# KiCad board clops.kicad_pcb
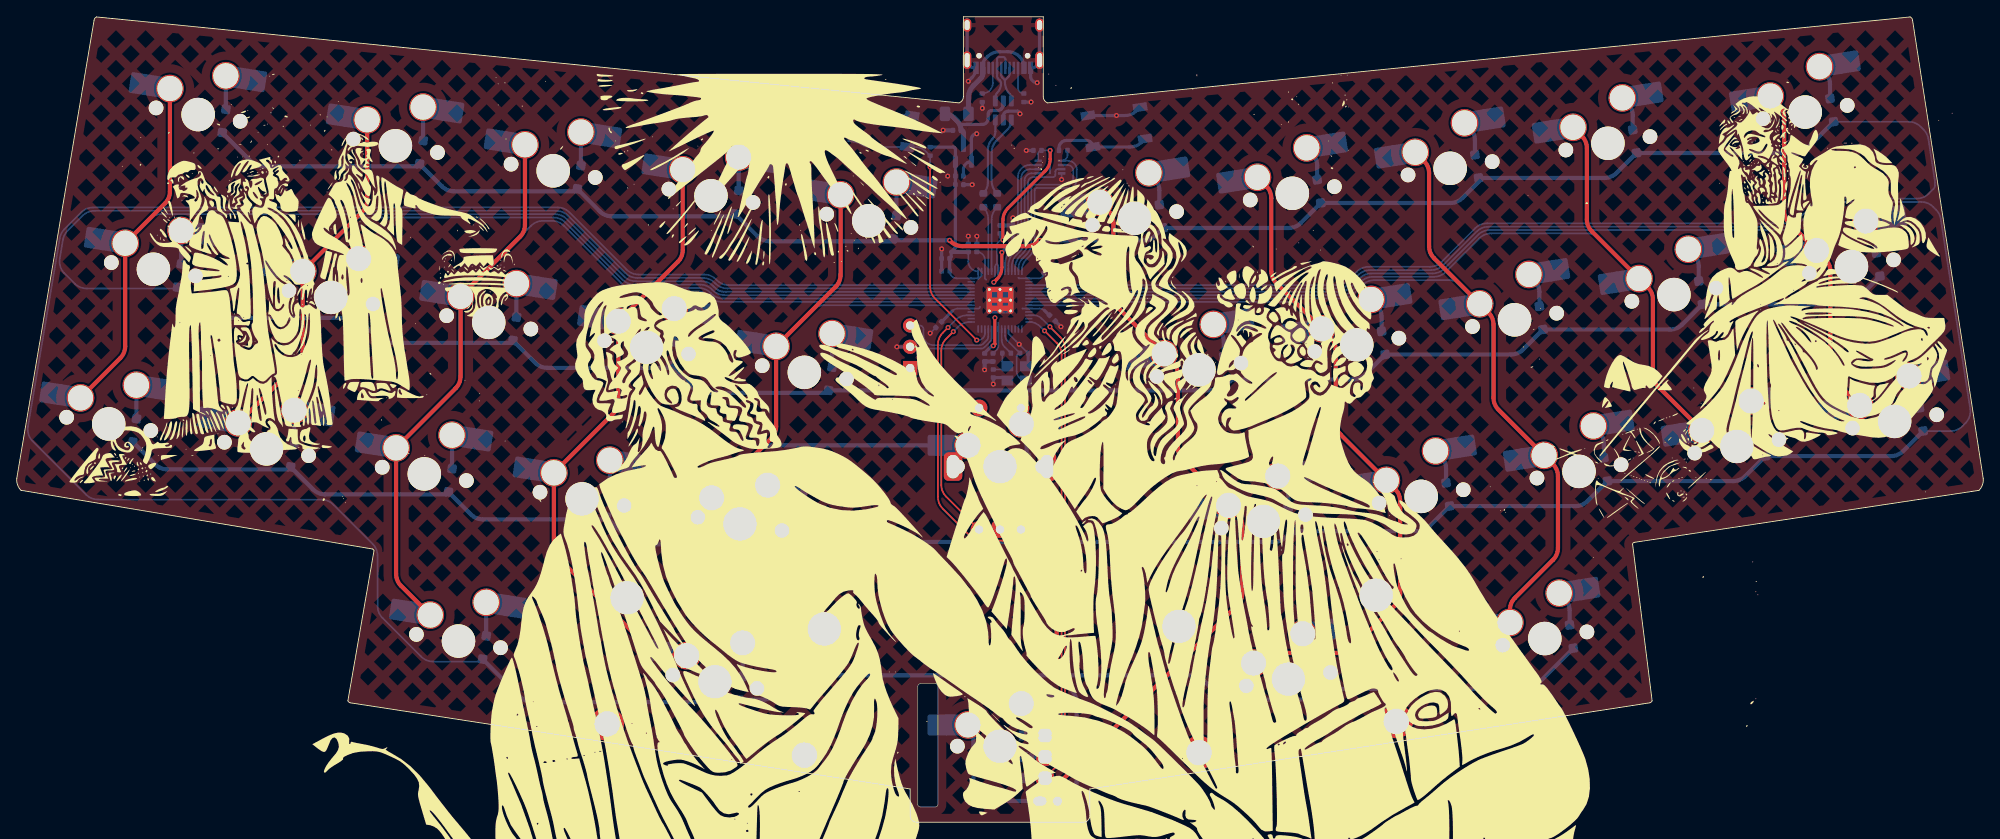
[diagram p0: board, top side]
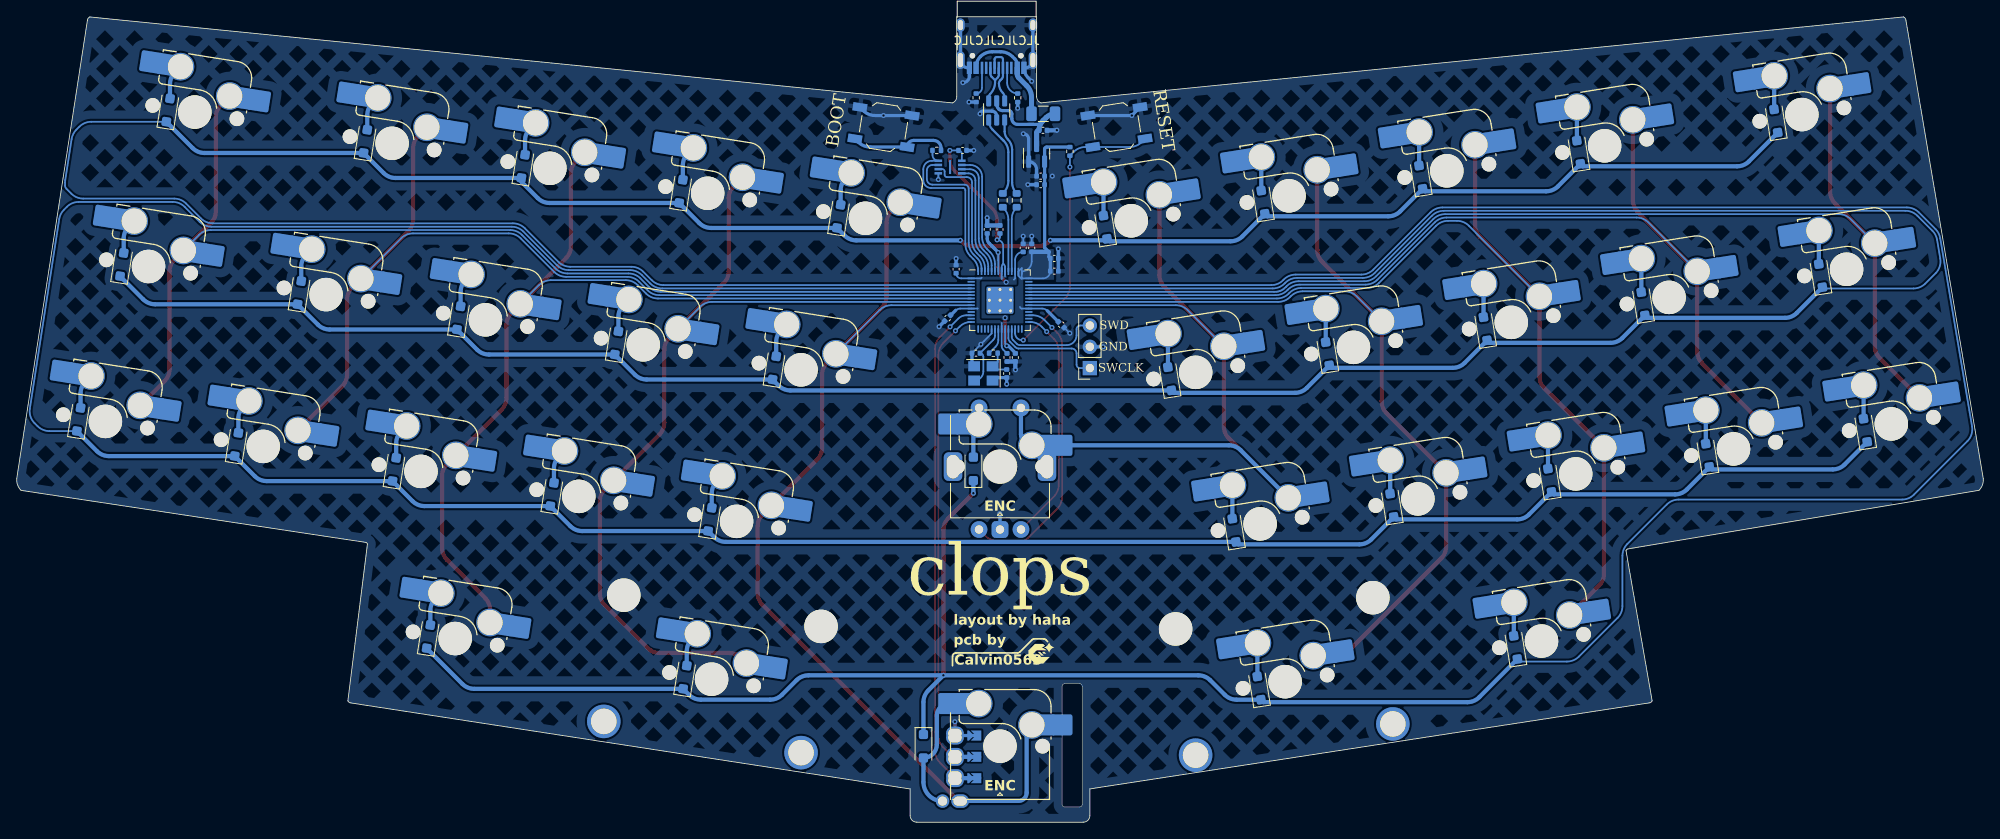
[diagram p1: board, bottom side, seen from below]

Outline 234.49 x 96.04 mm; copper layers: Top, Bottom. Coordinates in mm from the lower left corner of the outline.
Outline path: 0.01,41 9.22,95.62 arc(9.31,95.86) 9.52,96.02 112.37,85.78 arc(112.74,86.07) 112.88,86.52 112.88,96.04 122.41,96.04 122.41,86.52 arc(122.55,86.07) 122.93,85.77 225.77,96.02 arc(225.98,95.86) 226.06,95.62 234.48,41 arc(234.39,40.23) 233.98,39.58 192.86,33.37 arc(192.74,33.29) 192.68,33.16 195.01,14.48 arc(194.9,14.33) 194.74,14.24 127.96,3.97 127.96,0.79 arc(127.73,0.23) 127.17,0 107.33,0 arc(106.76,0.23) 106.53,0.79 106.53,3.97 39.76,14.24 arc(39.6,14.33) 39.49,14.48 42.6,32.37 arc(42.54,32.5) 42.42,32.58 0.51,39.58 arc(0.1,40.23) 0.01,41
Stack: Top 0.035mm / dielectric 1.51mm FR4 er 4.5 / Bottom 0.035mm

## Placement (name value [footprint] x y rotation side)
C2  22pF  [C_0402_1005Metric]  120.11 55.93 180 bottom
C3  22pF  [C_0402_1005Metric]  116.45 53.5 90 bottom
C4  1uF  [C_0402_1005Metric]  114.48 68.49 90 bottom
C5  100nF  [C_0402_1005Metric]  118.77 70.68 90 bottom
C6  100nF  [C_0402_1005Metric]  115.42 55.42 270 bottom
C7  10uF  [C_0402_1005Metric]  112.41 77.04 0 bottom
C8  1uF  [C_0402_1005Metric]  113.47 68.49 90 bottom
C9  100nF  [C_0402_1005Metric]  110.77 65.71 180 bottom
C10  100nF  [C_0402_1005Metric]  116.41 55.42 270 bottom
C11  100nF  [C_0402_1005Metric]  109.94 59.33 225 bottom
C12  100nF  [C_0402_1005Metric]  123.5 60.11 315 bottom
C13  100nF  [C_0402_1005Metric]  117.25 70.68 90 bottom
C14  100nF  [C_0402_1005Metric]  110.77 67.23 180 bottom
C15  100nF  [C_0402_1005Metric]  122.48 65.95 90 bottom
C16  1uF  [C_0402_1005Metric]  112.12 82.51 0 bottom
C17  1uF  [C_0402_1005Metric]  112.41 76.03 180 bottom
C18  100n  [C_0402_1005Metric]  121.71 80.1 180 bottom
D1  D_Small  [D_SOD-123F]  24.73 83.62 81 bottom
D2  D_Small  [D_SOD-123F]  48.25 79.89 81 bottom
D3  D_Small  [D_SOD-123F]  67.06 76.91 81 bottom
D4  D_Small  [D_SOD-123F]  85.88 73.93 81 bottom
D5  D_Small  [D_SOD-123F]  104.69 70.95 81 bottom
D6  D_Small  [D_SOD-123F]  136.47 72.24 99 bottom
D7  D_Small  [D_SOD-123F]  155.28 75.22 99 bottom
D8  D_Small  [D_SOD-123F]  174.1 78.2 99 bottom
D9  D_Small  [D_SOD-123F]  192.91 81.18 99 bottom
D10  D_Small  [D_SOD-123F]  216.43 84.91 99 bottom
D11  D_Small  [D_SOD-123F]  19.4 65.17 81 bottom
D12  D_Small  [D_SOD-123F]  40.56 61.82 81 bottom
D13  D_Small  [D_SOD-123F]  59.38 58.84 81 bottom
D14  D_Small  [D_SOD-123F]  78.2 55.86 81 bottom
D15  D_Small  [D_SOD-123F]  97.01 52.88 81 bottom
D16  D_Small  [D_SOD-123F]  144.15 54.17 99 bottom
D17  D_Small  [D_SOD-123F]  162.97 57.15 99 bottom
D18  D_Small  [D_SOD-123F]  181.78 60.13 99 bottom
D19  D_Small  [D_SOD-123F]  200.79 63.14 99 bottom
D20  D_Small  [D_SOD-123F]  221.95 66.5 99 bottom
D21  D_Small  [D_SOD-123F]  14.07 46.73 81 bottom
D22  D_Small  [D_SOD-123F]  32.88 43.75 81 bottom
D23  D_Small  [D_SOD-123F]  51.7 40.77 81 bottom
D24  D_Small  [D_SOD-123F]  70.51 37.79 81 bottom
D25  D_Small  [D_SOD-123F]  89.33 34.81 81 bottom
D26  D_Small  [D_SOD-123F]  151.84 36.1 99 bottom
D27  D_Small  [D_SOD-123F]  170.65 39.08 99 bottom
D28  D_Small  [D_SOD-123F]  189.47 42.06 99 bottom
D29  D_Small  [D_SOD-123F]  208.28 45.04 99 bottom
D30  D_Small  [D_SOD-123F]  227.1 48.02 99 bottom
D31  D_Small  [D_SOD-123F]  55.77 20.84 81 bottom
D32  D_Small  [D_SOD-123F]  86.35 15.99 81 bottom
D33  D_Small  [D_SOD-123F]  120.42 42.13 90 bottom
D34  D_Small  [D_SOD-123F]  126.38 9.07 270 bottom
D35  D_Small  [D_SOD-123F]  154.82 17.29 99 bottom
D36  D_Small  [D_SOD-123F]  185.39 22.13 99 bottom
EN1  EVQWGD001  [RollerEncoder]  117.25 9.07 90 top
F1  500mA  [Fuse_1206_3216Metric]  112.09 84.47 180 bottom
G***  -  [LOGO]  113.68 18.59 0 top
G***#2  -  [LOGO]  112.48 20.18 180 bottom
IC1  W25Q16JVUXIQ  [SON50P300X200X60-9N]  123.2 78.12 180 bottom
J1  USB_C_Receptacle_USB2.0  [USB_C_Receptacle_HRO_TYPE-C-31-M-12]  117.64 94 0 bottom
MX1  MX_SW_HS  [SW_MX_HS_CPG151101S11_1.5u]  21.64 84.38 171 bottom
MX2  MX_SW_HS  [SW_MX_HS_CPG151101S11_1u]  45.16 80.66 171 bottom
MX3  MX_SW_HS  [SW_MX_HS_CPG151101S11_1u]  63.97 77.68 171 bottom
MX4  MX_SW_HS  [SW_MX_HS_CPG151101S11_1u]  82.79 74.7 171 bottom
MX5  MX_SW_HS  [SW_MX_HS_CPG151101S11_1u]  101.6 71.72 171 bottom
MX6  MX_SW_HS  [SW_MX_HS_CPG151101S11_1u]  133.29 72.02 189 bottom
MX7  MX_SW_HS  [SW_MX_HS_CPG151101S11_1u]  152.1 75 189 bottom
MX8  MX_SW_HS  [SW_MX_HS_CPG151101S11_1u]  170.92 77.98 189 bottom
MX9  MX_SW_HS  [SW_MX_HS_CPG151101S11_1u]  189.74 80.96 189 bottom
MX10  MX_SW_HS  [SW_MX_HS_CPG151101S11_1.5u]  213.25 84.68 189 bottom
MX11  MX_SW_HS  [SW_MX_HS_CPG151101S11_1.25u]  16.3 65.94 171 bottom
MX12  MX_SW_HS  [SW_MX_HS_CPG151101S11_1u]  37.47 62.59 171 bottom
MX13  MX_SW_HS  [SW_MX_HS_CPG151101S11_1u]  56.29 59.61 171 bottom
MX14  MX_SW_HS  [SW_MX_HS_CPG151101S11_1u]  75.1 56.63 171 bottom
MX15  MX_SW_HS  [SW_MX_HS_CPG151101S11_1u]  93.92 53.65 171 bottom
MX16  MX_SW_HS  [SW_MX_HS_CPG151101S11_1u]  140.97 53.95 189 bottom
MX17  MX_SW_HS  [SW_MX_HS_CPG151101S11_1u]  159.79 56.93 189 bottom
MX18  MX_SW_HS  [SW_MX_HS_CPG151101S11_1u]  178.6 59.91 189 bottom
MX19  MX_SW_HS  [SW_MX_HS_CPG151101S11_1u]  197.61 62.92 189 bottom
MX20  MX_SW_HS  [SW_MX_HS_CPG151101S11_1.25u]  218.77 66.27 189 bottom
MX21  MX_SW_HS  [SW_MX_HS_CPG151101S11_1u]  10.97 47.5 171 bottom
MX22  MX_SW_HS  [SW_MX_HS_CPG151101S11_1u]  29.79 44.52 171 bottom
MX23  MX_SW_HS  [SW_MX_HS_CPG151101S11_1u]  48.6 41.54 171 bottom
MX24  MX_SW_HS  [SW_MX_HS_CPG151101S11_1u]  67.42 38.55 171 bottom
MX25  MX_SW_HS  [SW_MX_HS_CPG151101S11_1u]  86.23 35.57 171 bottom
MX26  MX_SW_HS  [SW_MX_HS_CPG151101S11_1u]  148.66 35.87 189 bottom
MX27  MX_SW_HS  [SW_MX_HS_CPG151101S11_1u]  167.47 38.85 189 bottom
MX28  MX_SW_HS  [SW_MX_HS_CPG151101S11_1u]  186.29 41.83 189 bottom
MX29  MX_SW_HS  [SW_MX_HS_CPG151101S11_1u]  205.1 44.81 189 bottom
MX30  MX_SW_HS  [SW_MX_HS_CPG151101S11_1u]  223.92 47.79 189 bottom
MX31  MX_SW_HS  [SW_MX_HS_CPG151101S11_1.25u]  52.68 21.6 171 bottom
MX32  MX_SW_HS  [SW_MX_HS_CPG151101S11_1u]  83.25 16.76 171 bottom
MX33  MX_SW_HS  [SW_MX_HS_CPG151101S11_1u]  117.25 42.4 180 bottom
MX34  MX_SW_HS  [SW_MX_HS_CPG151101S11_1u#2]  117.25 9.07 180 bottom
MX35  MX_SW_HS  [SW_MX_HS_CPG151101S11_1u]  151.64 17.06 189 bottom
MX36  MX_SW_HS  [SW_MX_HS_CPG151101S11_1.25u]  182.21 21.9 189 bottom
R1  5.1k  [R_0402_1005Metric]  108.91 79.99 270 bottom
R3  5k1  [R_0402_1005Metric]  115.14 86.38 270 bottom
R4  5k1  [R_0402_1005Metric]  120.09 86.38 270 bottom
R5  27R  [R_0603_1608Metric]  116.91 74.15 270 bottom
R6  27R  [R_0603_1608Metric]  115.26 74.15 270 bottom
R7  1k  [R_0402_1005Metric]  118.04 55.93 0 bottom
R9  1k  [R_0402_1005Metric]  124.79 80.1 180 bottom
S1  MX_stab  [STAB_MX_P_2u]  83.26 16.76 171 top
S2  MX_stab  [STAB_MX_P_2u]  151.64 17.06 189 top
SW2  RotaryEncoder_Switch  [ROT_Alps_EC11E-Switch]  117.25 42.4 0 top
SW4  boot  [SW_SPST_TL3342]  131.14 82.89 189 bottom
SWD1  Conn_01x03_Female  [PinHeader_1x03_P2.54mm_Vertical]  106.53 54.15 180 top
SWR1  Reset  [SW_SPST_TL3342]  103.36 82.89 171 bottom
U2  USBLC6-2SC6  [SOT-23-6]  117.64 84.87 90 bottom
U3  RP2040  [RP2040-QFN-56]  117.25 62.25 180 bottom
U4  XC6206PxxxMR-Regulator_Linear  [SOT-23]  112.88 79.71 90 bottom
Y1  12MHz  [Crystal_SMD_3225-4Pin_3.2x2.5mm]  119.23 53.52 0 bottom

## Library data of the parts
C2 C3 = -: Description: Unpolarized capacitor, small symbol; LCSC: C1555
C4 C8 C16 C17 = -: Description: Unpolarized capacitor, small symbol; LCSC: C52923
C5 C6 C9-C15 = -: Description: Unpolarized capacitor, small symbol; LCSC: C1525
C7 = -: Description: Unpolarized capacitor, small symbol; LCSC: C15525
C18 = -: Description: Unpolarized capacitor; LCSC: C1525
D1-D36 = -: Description: Diode, small symbol; Sim.Device: D; Sim.Pins: 1=K 2=A
EN1 = -: Field5: REF**
F1 = -: Description: Resettable fuse, polymeric positive temperature coefficient, small symbol; LCSC: C70076
IC1 = -: DESCRIPTION: SPIFLASH, 3V, 16M-BIT, 4KB UNIFO; HEIGHT: 0.6mm; LCSC: C2843335; LCSC Part: C2843335; MANUFACTURER_NAME: Winbond
J1 = -: Description: USB 2.0-only Type-C Receptacle connector; LCSC: C165948
MX1-MX36 = -: Description: Push button switch, normally open, two pins, 45° tilted, Kailh CPG151101S11 for Cherry MX style switches
R1 = -: Description: Resistor, small symbol
R3 R4 = -: Description: Resistor, small symbol; LCSC: C25905
R5 R6 = -: Description: Resistor, small symbol; LCSC: C25190
R7 = -: Description: Resistor, small symbol; LCSC: C11702
R9 = -: Description: Resistor; LCSC: C25543; LCSC Part: C25543
S1 S2 = -: Description: Cherry MX-style stabilizer
SW2 = -: Description: Rotary encoder, dual channel, incremental quadrate outputs, with switch
SW4 = -: Description: Push button switch, generic, two pins; LCSC: C115351; LCSC Part: C115351
SWD1 = -: Description: Generic connector, single row, 01x03, script generated (kicad-library-utils/schlib/autogen/connector/)
SWR1 = -: Description: Single Pole Single Throw (SPST) switch
U2 = -: Description: Very low capacitance ESD protection diode, 2 data-line, SOT-23-6; LCSC: C2827654
U3 = -: LCSC: C2040
U4 = -: Description: SMD LDO regulator family; LCSC: C5446
Y1 = -: Description: Four pin crystal, GND on pins 2 and 4, small symbol; LCSC: C9002

## Footprints (pads in the part's own frame, mm; a bottom-side part is the same pattern mirrored in y, then rotated)
C_0402_1005Metric
  rrect 0.56x0.62 smd: 1(-0.48,0) 2(0.48,0)
Crystal_SMD_3225-4Pin_3.2x2.5mm
  rect 1.4x1.2 smd: 1(-1.1,-0.85) 2(1.1,-0.85) 3(1.1,0.85) 4(-1.1,0.85)
D_SOD-123F
  rrect 1.1x1.1 smd: 1(-1.4,0) 2(1.4,0)
Fuse_1206_3216Metric
  rrect 1.25x1.75 smd: 1(-1.4,0) 2(1.4,0)
PinHeader_1x03_P2.54mm_Vertical
  rect 1.7x1.7 hole 1: 1(0,0)
  oval 1.7x1.7 hole 1: 2(0,-2.54) 3(0,-5.08)
R_0402_1005Metric
  rrect 0.54x0.64 smd: 1(-0.51,0) 2(0.51,0)
R_0603_1608Metric
  rrect 0.8x0.95 smd: 1(-0.825,0) 2(0.825,0)
RollerEncoder
  oval 1.6x2.1 hole 1.1x1.6: A(-4.072,-5.375) A(-3.548,-5.375) B(-1.532,-5.375) B(-1.008,-5.375) C(1.008,-5.375) C(1.532,-5.375) S2(-6.548,-4.75)
  custom 1.2x1.25 smd far side: A(-3.81,-2.484) B(-1.27,-2.484) C(1.27,-2.484)
  custom 1.2x0.8 smd far side: A(-3.81,-3.5) B(-1.27,-3.5) C(1.27,-3.5)
  custom 0.25x1 smd far side: A(-3.81,-4.008) B(-1.27,-4.008) C(1.27,-4.008)
  round 1.6 hole 1.1: S1(-6.548,-6.85)
ROT_Alps_EC11E-Switch
  round 2 hole 1: A(-2.5,-7.5) B(2.5,-7.5) S1(2.5,7) S2(-2.5,7)
  rrect 2x2 hole 1: C(0,-7.5)
  rrect 2.2x3.4 hole 1.5x2.8: MP(-5.6,0) MP(5.6,0)
RP2040-QFN-56
  rrect 1.084x1.084 smd: (-0.637,-0.637) (-0.637,0.637) (0.637,-0.637) (0.637,0.637)
  rrect 0.875x0.2 smd: 1(-3.438,2.6) 2(-3.438,2.2) 3(-3.438,1.8) 4(-3.438,1.4) 5(-3.438,1) 6(-3.438,0.6) 7(-3.438,0.2) 8(-3.438,-0.2) 9(-3.438,-0.6) 10(-3.438,-1) 11(-3.438,-1.4) 12(-3.438,-1.8) 13(-3.438,-2.2) 14(-3.438,-2.6) 29(3.438,-2.6) 30(3.438,-2.2) 31(3.438,-1.8) 32(3.438,-1.4) 33(3.438,-1) 34(3.438,-0.6) 35(3.438,-0.2) 36(3.438,0.2) 37(3.438,0.6) 38(3.438,1) 39(3.438,1.4) 40(3.438,1.8) 41(3.438,2.2) 42(3.438,2.6)
  rrect 0.2x0.875 smd: 15(-2.6,-3.438) 16(-2.2,-3.438) 17(-1.8,-3.438) 18(-1.4,-3.438) 19(-1,-3.438) 20(-0.6,-3.438) 21(-0.2,-3.438) 22(0.2,-3.438) 23(0.6,-3.438) 24(1,-3.438) 25(1.4,-3.438) 26(1.8,-3.438) 27(2.2,-3.438) 28(2.6,-3.438) 43(2.6,3.438) 44(2.2,3.438) 45(1.8,3.438) 46(1.4,3.438) 47(1,3.438) 48(0.6,3.438) 49(0.2,3.438) 50(-0.2,3.438) 51(-0.6,3.438) 52(-1,3.438) 53(-1.4,3.438) 54(-1.8,3.438) 55(-2.2,3.438) 56(-2.6,3.438)
  round 0.6 hole 0.35: 57(-1.275,-1.275) 57(-1.275,0) 57(-1.275,1.275) 57(0,-1.275) 57(0,0) 57(0,1.275) 57(1.275,-1.275) 57(1.275,0) 57(1.275,1.275)
  rrect 3.2x3.2 smd: 57(0,0)
SON50P300X200X60-9N
  rect 0.9x0.3 smd: 1(-1.4,0.75) 2(-1.4,0.25) 3(-1.4,-0.25) 4(-1.4,-0.75) 5(1.4,-0.75) 6(1.4,-0.25) 7(1.4,0.25) 8(1.4,0.75)
  rect 0.25x1.65 smd: 9(0,0)
SOT-23
  rrect 1.475x0.6 smd: 1(-0.938,0.95) 2(-0.938,-0.95) 3(0.938,0)
SOT-23-6
  rrect 1.325x0.6 smd: 1(-1.137,0.95) 2(-1.137,0) 3(-1.137,-0.95) 4(1.137,-0.95) 5(1.137,0) 6(1.137,0.95)
STAB_MX_P_2u
  round 4 hole 3.048: (-11.906,6.985) (11.906,6.985)
  round 3.988 hole 3.988 unplated: (-11.906,-8.255) (11.906,-8.255)
SW_MX_HS_CPG151101S11_1.5u
  round 1.75 hole 1.75 unplated: (-5.08,0) (5.08,0)
  round 3.988 hole 3.988 unplated: (0,0)
  round 3.3 hole 3: 1(3.81,2.54) 2(-2.54,5.08)
  rect 1.65x2.5 smd: 1(5.635,2.54) 2(-4.34,5.08)
  rrect 2.55x2.5 smd: 1(7.36,2.54) 2(-6.09,5.08)
SW_MX_HS_CPG151101S11_1.25u
  round 1.75 hole 1.75 unplated: (-5.08,0) (5.08,0)
  round 3.988 hole 3.988 unplated: (0,0)
  round 3.3 hole 3: 1(3.81,2.54) 2(-2.54,5.08)
  rect 1.65x2.5 smd: 1(5.635,2.54) 2(-4.34,5.08)
  rrect 2.55x2.5 smd: 1(7.36,2.54) 2(-6.09,5.08)
SW_MX_HS_CPG151101S11_1u
  round 1.75 hole 1.75 unplated: (-5.08,0) (5.08,0)
  round 3.988 hole 3.988 unplated: (0,0)
  round 3.3 hole 3: 1(3.81,2.54) 2(-2.54,5.08)
  rect 1.65x2.5 smd: 1(5.635,2.54) 2(-4.34,5.08)
  rrect 2.55x2.5 smd: 1(7.36,2.54) 2(-6.09,5.08)
SW_MX_HS_CPG151101S11_1u#2
  round 3.988 hole 3.988 unplated: (0,0)
  round 1.75 hole 1.75 unplated: (5.08,0)
  round 3.3 hole 3: 1(3.81,2.54) 2(-2.54,5.08)
  rect 1.65x2.5 smd: 1(5.635,2.54) 2(-4.34,5.08)
  rrect 2.55x2.5 smd: 1(7.36,2.54) 2(-6.09,5.08)
SW_SPST_TL3342
  rect 1.7x1 smd: 1(-3.15,1.9) 1(3.15,1.9) 2(-3.15,-1.9) 2(3.15,-1.9)
USB_C_Receptacle_HRO_TYPE-C-31-M-12
  round 0.65 hole 0.65 unplated: (-2.89,2.6) (2.89,2.6)
  rect 0.6x1.45 smd: A1(-3.25,4.045) A4(-2.45,4.045) A9(2.45,4.045) A12(3.25,4.045) B1(3.25,4.045) B4(2.45,4.045) B9(-2.45,4.045) B12(-3.25,4.045)
  rect 0.3x1.45 smd: A5(-1.25,4.045) A6(-0.25,4.045) A7(0.25,4.045) A8(1.25,4.045) B5(1.75,4.045) B6(0.75,4.045) B7(-0.75,4.045) B8(-1.75,4.045)
  oval 1x1.6 hole 0.6x1.2: S1(-4.32,-1.05) S1(4.32,-1.05)
  oval 1x2.1 hole 0.6x1.7: S1(-4.32,3.13) S1(4.32,3.13)

## Nets
+1V1: C4.1 C5.1 C6.1 U3.23 U3.45 U3.50
+3V3: C7.1 C8.1 C9.1 C10.1 C11.1 C12.1 C13.1 C14.1 C15.1 C17.2 C18.1 IC1.8 R1.1 U3.1 U3.10 U3.22 U3.33 U3.42 U3.43 U3.44 U3.48 U3.49 U4.2
+5V: C16.2 F1.2 U2.5 U4.3
GND: C2.1 C3.1 C4.2 C5.2 C6.2 C7.2 C8.2 C9.2 C10.2 C11.2 C12.2 C13.2 C14.2 C15.2 C16.1 C17.1 C18.2 EN1.C IC1.4 J1.A1 J1.A12 J1.B1 J1.B12 J1.S1 R3.2 R4.2 SW2.C SW4.1 SWD1.2 SWR1.1 U2.2 U3.19 U3.57 U4.1 Y1.2 Y1.4
VBUS: F1.1 J1.A4 J1.A9 J1.B4 J1.B9
/CC1: J1.A5 R3.1
/CC2: J1.B5 R4.1
/D_+: R5.2 U3.47
/D_-: R6.2 U3.46
/GPIO0: U3.2
/GPIO1: D1.1 D2.1 D3.1 D4.1 D5.1 D6.1 D7.1 D8.1 D9.1 D10.1 U3.3
/GPIO2: D21.1 D22.1 D23.1 D24.1 D25.1 D26.1 D27.1 D28.1 D29.1 D30.1 U3.4
/GPIO3: MX10.1 MX20.1 MX30.1 U3.5
/GPIO4: MX9.1 MX19.1 MX29.1 U3.6
/GPIO5: MX8.1 MX18.1 MX28.1 MX36.1 U3.7
/GPIO6: MX7.1 MX17.1 MX27.1 MX35.1 U3.8
/GPIO8: U3.11
/GPIO9: EN1.A U3.12
/GPIO10: U3.13
/GPIO11: EN1.B U3.14
/GPIO12: U3.15
/GPIO13: U3.16
/GPIO14: U3.17
/GPIO15: U3.18
/GPIO16: U3.27
/GPIO17: U3.28
/GPIO18: SW2.A U3.29
/GPIO19: U3.30
/GPIO20: SW2.B U3.31
/GPIO21: U3.32
/GPIO23: MX4.1 MX14.1 MX24.1 MX32.1 U3.35
/GPIO24: MX3.1 MX13.1 MX23.1 MX31.1 U3.36
/GPIO25: MX2.1 MX12.1 MX22.1 U3.37
/GPIO26: MX1.1 MX11.1 MX21.1 U3.38
/GPIO27: D11.1 D12.1 D13.1 D14.1 D15.1 D16.1 D17.1 D18.1 D19.1 D20.1 U3.39
/GPIO28: D31.1 D32.1 D33.1 D34.1 D35.1 D36.1 U3.40
/GPIO29: U3.41
/QSPI_SCLK: IC1.6 U3.52
/QSPI_SD0: IC1.5 U3.53
/QSPI_SD1: IC1.2 U3.55
/QSPI_SD2: IC1.3 U3.54
/QSPI_SD3: IC1.7 U3.51
/QSPI_SS: IC1.1 R9.1 U3.56
/XTAL_O: C3.2 R7.1 Y1.1
/~{USB_BOOT}: R9.2 SW4.2
c_enc1: MX5.1 MX15.1 MX25.1 MX33.1 SW2.S2 U3.34
c_enc2: EN1.S2 MX6.1 MX16.1 MX26.1 MX34.1 U3.9
D_N: R6.1 U2.3
D_P: R5.1 U2.1
D_USB_N: J1.A7 J1.B7 U2.4
D_USB_P: J1.A6 J1.B6 U2.6
r_enc1: D33.2 MX33.2 SW2.S1
r_enc2: D34.2 EN1.S1 MX34.2
SWCLK: SWD1.1 U3.24
SWD: SWD1.3 U3.25
XTAL_IN: C2.2 U3.20 Y1.3
XTAL_OUT: R7.2 U3.21
~{RESET}: R1.2 SWR1.2 U3.26
Net-(D1-A): D1.2 MX1.2
Net-(D2-A): D2.2 MX2.2
Net-(D3-A): D3.2 MX3.2
Net-(D4-A): D4.2 MX4.2
Net-(D5-A): D5.2 MX5.2
Net-(D6-A): D6.2 MX6.2
Net-(D7-A): D7.2 MX7.2
Net-(D8-A): D8.2 MX8.2
Net-(D9-A): D9.2 MX9.2
Net-(D10-A): D10.2 MX10.2
Net-(D11-A): D11.2 MX11.2
Net-(D12-A): D12.2 MX12.2
Net-(D13-A): D13.2 MX13.2
Net-(D14-A): D14.2 MX14.2
Net-(D15-A): D15.2 MX15.2
Net-(D16-A): D16.2 MX16.2
Net-(D17-A): D17.2 MX17.2
Net-(D18-A): D18.2 MX18.2
Net-(D19-A): D19.2 MX19.2
Net-(D20-A): D20.2 MX20.2
Net-(D21-A): D21.2 MX21.2
Net-(D22-A): D22.2 MX22.2
Net-(D23-A): D23.2 MX23.2
Net-(D24-A): D24.2 MX24.2
Net-(D25-A): D25.2 MX25.2
Net-(D26-A): D26.2 MX26.2
Net-(D27-A): D27.2 MX27.2
Net-(D28-A): D28.2 MX28.2
Net-(D29-A): D29.2 MX29.2
Net-(D30-A): D30.2 MX30.2
Net-(D31-A): D31.2 MX31.2
Net-(D32-A): D32.2 MX32.2
Net-(D35-A): D35.2 MX35.2
Net-(D36-A): D36.2 MX36.2

Pads without a net: IC1 9; J1 A8 B8; SW2 MP

## Via types
v1: diameter 0.6, hole 0.3, Top to Bottom, 40 vias
v2: diameter 0.6, hole 0.35, Top to Bottom, 2 vias

## Routing (per net, layer and track width the routed paths; a pad name or vN(x,y) marks a point on that pad's centre or on a via; arc(x,y) is an arc through that point)
+1V1: length 21.9
  Top w0.381: v2(116.64,60.15) 116.64,57.01 v1(116.45,56.81) ; v2(116.51,64.39) 116.88,64.76 arc(117.32,65.4) 117.47,66.17 v1(117.47,67.94)
  Bottom w0.2: 117.45,67.01 U3.50 ; 117.45,67.01 117.45,67.94 117.88,68.38 ; 117.45,67.01 117.45,67.92 v1(117.47,67.94) ; U3.23 116.65,57.29 arc(116.6,57.03) v1(116.45,56.81) ; 115.6,64.69 115.45,64.84 U3.45 115.45,67.04 arc(115.16,67.72) C4.1
  Bottom w0.381: C5.1 118.77,69.59 arc(118.71,69.29) 118.54,69.04 118.27,68.77 ; 117.88,68.38 118.27,68.77 ; 118.27,68.77 117.47,67.96 v1(117.47,67.94) ; v2(116.51,64.39) 116.59,64.31 ; v1(116.45,56.81) 116.27,56.81 115.42,55.97 C6.1
+3V3: length 69
  Top w0.381: v1(117.59,69.44) 117.59,71.79 arc(117.75,72.55) 118.18,73.2 122.64,77.67 arc(123.08,78.31) 123.23,79.08 v1(123.23,80.11)
  Bottom w0.2: C10.1 116.87,56.35 arc(117,56.55) 117.05,56.79 U3.22 117.05,59.54 ; U3.49 117.05,66.17 arc(117,66.4) 116.87,66.6 ; U3.49 117.05,64.83 117.02,64.8 ; U3.49 117.05,66.16 ; 114.65,66.09 U3.44 115.05,65.16 114.71,64.82 114.68,64.85 U3.42 112.11,64.85 arc(111.5,65.1) C9.1 ; 116.65,65.09 U3.48 116.65,66.22 arc(116.68,66.37) 116.76,66.49 116.87,66.6 ; C8.1 113.47,66.87 arc(113.81,66.03) U3.43 114.65,64.89 114.58,64.82 ; 116.87,66.6 116.87,68.72 arc(117.08,69.23) v1(117.59,69.44) arc(117.35,69.54) 117.25,69.79 C13.1 ; 119.43,64.93 119.52,64.85 U3.1 121.86,64.85 arc(122.3,65.03) C15.1 ; IC1.8 121.8,79.71 arc(121.92,79.99) C18.1 123.23,80.1 v1(123.23,80.11) ; 119.91,61.26 119.93,61.25 U3.10 122,61.25 arc(122.26,61.2) 122.48,61.05 ; 114.87,61.45 arc(114.81,61.31) 114.66,61.25 U3.33 112.22,61.25 arc(111.89,61.18) 111.61,60.99
  Bottom w0.381: C9.1 C14.1 111.42,67.4 111.42,68.01 111.93,68.51 C17.2 C7.1 111.93,77.05 U4.2 111.93,80.26 arc(111.86,80.43) 111.69,80.5 R1.1 ; 122.53,61.05 123.12,60.46 ; 111.61,60.99 C11.1
  Bottom w0.5: C8.1 111.42,68.01
+5V: length 13.4
  Bottom w0.381: U2.5 117.64,85.64 arc(117.58,85.32) 117.39,85.04 arc(117.19,84.91) 116.95,84.86 116.22,84.86 arc(115.95,84.75) 115.84,84.47 115.84,83.91 arc(115.63,83.41) 115.13,83.21 113.28,83.21 ; 113.91,83.21 113.28,83.21 ; 113.28,83.21 112.56,83.21 112.09,83.68
  Bottom w0.6: U4.3 112.88,82.22 arc(112.8,82.42) C16.2 arc(112.48,83.12) 112.13,83.64 111.72,84.04 arc(111.25,84.36) F1.2
GND: length 87.2
  Top w0.381: v1(122.63,11.98) 122.62,11.97 EN1.C
  Top w0.635: U3.57 U3.57 ; U3.57 U3.57 ; U3.57 U3.57 U3.57 118.22,61.27 116.27,61.27 U3.57 U3.57
  Bottom w0.2: C2.1 v1(119.53,56.99) 118.25,58.27 U3.19 ; C4.2 v1(114.48,69.87) ; v1(108.93,58.31) C11.2 ; C8.2 v1(113.47,69.88) ; IC1.4 124.6,76.63 v1(124.6,76.63) ; 120.21,54.34 120.42,54.34
  Bottom w0.381: SW4.1 133.55,84.86 arc(132.9,84.42) 132.14,84.27 SW4.1 ; v1(120.95,85.88) 120.95,85.87 R4.2 ; C9.2 C14.2 v1(110.29,68.36) ; v1(113.47,88.35) 113.92,88.8 arc(114.27,89.33) J1.A1 114.24,89.95 arc(113.59,90.22) J1.S1 J1.S1 ; C18.2 120.38,80.1 v1(120.38,80.1) ; C17.1 v1(113.93,76.03) ; SW2.C 117.25,36.76 v1(117.27,36.78) ; U2.2 117.64,84.21 arc(117.81,84.62) 118.22,84.79 119.31,84.79 arc(119.54,84.7) v1(119.63,84.47) ; v1(115.14,85.14) 115.14,85.14 R3.2 ; J1.S1 J1.S1 arc(121.7,90.22) 121.05,89.95 J1.A12 120.89,88.97 arc(121.12,88.42) v1(121.68,88.19) ; v1(116.45,52.24) 116.45,52.24 C3.1 117.78,53.02 arc(118.03,52.92) Y1.4 ; C7.2 112.89,77.83 arc(113.16,78.5) U4.1 113.83,81.45 arc(114.02,81.91) v1(114.47,82.09) ; SWR1.1 v1(101.53,84.27) SWR1.1 ; C2.1 120.59,54.63 arc(120.52,54.44) Y1.2 ; C15.2 v1(122.48,67.22) ; C12.2 v1(124.51,59.09) ; EN1.C 122.36,10.34 EN1.C ; SWD1.2 v1(104.94,56.69)
  Bottom w0.5: C10.2 C6.2 115.42,53.96 v1(115.4,53.95) ; C16.1 110.48,82.51 v1(110.47,82.52) ; v1(118.78,72.08) 118.77,72.07 C5.2 C13.2
  vias: v1(111.01,77.04) v1(131.14,84.27)
VBUS: length 13.2
  Bottom w0.381: J1.A4 115.19,90.32 arc(115.27,90.69) 115.48,91.01 115.76,91.29 arc(116.41,91.72) 117.17,91.87 118.18,91.87 arc(118.95,91.72) 119.6,91.29 arc(119.96,90.73) 120.09,90.08 J1.A9
  Bottom w0.6: J1.A4 115.19,89.2 arc(115.15,88.97) 115.02,88.77 114.07,87.83 arc(113.64,87.18) 113.49,86.41 F1.1
/CC1: length 3.8
  Bottom w0.2: J1.A5 116.39,88.15 arc(116.03,87.26) R3.1
/CC2: length 3.5
  Bottom w0.2: J1.B5 119.39,87.59 arc(119.6,87.1) R4.1
/D_+: length 7.8
  Bottom w0.2: R5.2 116.83,73.25 arc(116.4,72.6) 116.25,71.83 U3.47
/D_-: length 7.8
  Bottom w0.2: U3.46 115.85,71.92 arc(115.7,72.68) R6.2
/GPIO1: length 334.6
  Top w0.5: v1(111.24,69.39) 111.35,69.28 arc(112,68.84) 112.77,68.69 120.45,68.69 arc(121.22,68.84) 121.87,69.28 v1(121.98,69.39)
  Bottom w0.2: U3.3 157.36,64.05 arc(158.13,64.2) 158.78,64.63 159.79,65.65 arc(160.44,66.08) 161.21,66.24 168.49,66.24 arc(169.26,66.39) 169.9,66.82 173.91,70.83 arc(174.56,71.26) 175.32,71.41 211.11,71.41 arc(211.87,71.56) 212.52,72 214.3,73.78 arc(214.95,74.21) 215.72,74.36 226.56,74.36 arc(227.33,74.52) 227.98,74.95 228.57,75.54 arc(228.69,75.72) 228.73,75.93 228.73,76.25 arc(228.72,76.41) 228.71,76.56 227.95,81.47 arc(227.75,82.06) 227.38,82.57 227.02,82.94 arc(226.37,83.37) 225.6,83.53 D10.1
  Bottom w0.5: D1.1 27.94,78.8 arc(28.59,78.36) 29.36,78.21 47.73,78.21 D2.1 50.72,75.82 arc(51.37,75.38) 52.13,75.23 66.55,75.23 D3.1 69.53,72.84 arc(70.18,72.4) 70.95,72.25 85.36,72.25 D4.1 88.35,69.86 arc(89,69.42) 89.76,69.27 104.18,69.27 D5.1 104.65,69.39 v1(111.24,69.39) ; D10.1 213.51,80.39 arc(212.86,79.95) 212.1,79.8 D9.1 190.74,77.41 arc(190.09,76.97) 189.32,76.82 D8.1 174.32,76.37 172.37,74.43 arc(171.72,73.99) 170.95,73.84 D7.1 153.11,71.45 arc(152.46,71.01) 151.69,70.86 D6.1 135.79,69.97 arc(135.14,69.53) 134.38,69.38 121.99,69.38 v1(121.98,69.39)
/GPIO2: length 367.7
  Bottom w0.2: D30.1 230.59,46.64 arc(231.35,46.79) 232,47.23 232.37,47.59 arc(232.85,48.38) 232.93,49.31 229.42,71.92 arc(229.23,72.52) 228.86,73.03 228.51,73.38 arc(227.86,73.81) 227.1,73.96 215.88,73.96 arc(215.12,73.81) 214.47,73.38 212.69,71.6 arc(212.04,71.16) 211.27,71.01 175.49,71.01 arc(174.72,70.86) 174.07,70.43 170.07,66.42 arc(169.42,65.99) 168.66,65.84 161.37,65.84 arc(160.61,65.68) 159.96,65.25 158.94,64.23 arc(158.29,63.8) 157.53,63.65 U3.4
  Bottom w0.5: D21.1 16.54,42.66 arc(17.18,42.22) 17.95,42.07 32.37,42.07 D22.1 35.35,39.68 arc(36,39.24) 36.77,39.09 51.18,39.09 D23.1 54.17,36.7 arc(54.82,36.26) 55.58,36.11 70,36.11 D24.1 72.98,33.72 arc(73.63,33.28) 74.4,33.13 88.81,33.13 D25.1 149.93,33.43 arc(150.7,33.58) 151.35,34.01 D26.1 167.06,34.72 arc(167.83,34.87) 168.48,35.31 D27.1 185.88,37.7 arc(186.64,37.85) 187.29,38.29 D28.1 204.69,40.68 arc(205.46,40.83) 206.11,41.27 D29.1 223.51,43.66 arc(224.27,43.81) 224.92,44.25 D30.1
/GPIO3: length 138.5
  Top w0.5: MX30.1 216.85,52.62 arc(216.42,53.26) 216.26,54.03 216.26,65.7 arc(216.11,66.47) 215.68,67.12 MX20.1 211.33,71.46 arc(210.9,72.11) 210.74,72.88 210.74,84.12 arc(210.59,84.88) 210.16,85.53 MX10.1
  Bottom w0.2: MX20.1 212.77,70.03 arc(212.12,70.46) 211.35,70.61 175.65,70.61 arc(174.89,70.46) 174.24,70.03 170.24,66.02 arc(169.59,65.59) 168.82,65.44 161.54,65.44 arc(160.77,65.28) 160.12,64.85 159.11,63.83 arc(158.46,63.4) 157.69,63.25 U3.5
/GPIO4: length 119.8
  Top w0.5: MX29.1 195.68,51.99 arc(195.25,52.64) 195.1,53.4 195.1,62.35 arc(194.94,63.11) 194.51,63.76 MX19.1 187.81,70.46 arc(187.38,71.11) 187.22,71.88 187.22,80.39 arc(187.07,81.16) 186.64,81.8 MX9.1
  Bottom w0.2: MX19.1 188.65,69.63 arc(188,70.06) 187.23,70.21 175.82,70.21 arc(175.06,70.06) 174.41,69.63 170.4,65.62 arc(169.75,65.19) 168.99,65.04 161.7,65.04 arc(160.94,64.88) 160.29,64.45 159.27,63.43 arc(158.62,63) 157.86,62.85 U3.6
/GPIO5: length 120.5
  Top w0.5: MX8.1 167.82,78.82 arc(168.26,78.18) 168.41,77.41 168.41,68.68 arc(168.56,67.91) 168.99,67.27 MX18.1 175.51,60.75 arc(175.94,60.1) 176.09,59.34 176.09,50.61 arc(176.25,49.84) 176.68,49.2 MX28.1 183.19,42.68 arc(183.62,42.03) 183.78,41.27 183.78,32.7 arc(183.62,31.94) 183.19,31.29 178.64,26.73 arc(178.2,26.08) 178.05,25.32 MX36.1
  Bottom w0.2: MX18.1 172.21,64.05 arc(171.56,64.48) 170.8,64.64 161.87,64.64 arc(161.1,64.48) 160.45,64.05 159.44,63.03 arc(158.79,62.6) 158.02,62.45 U3.7
/GPIO6: length 113.6
  Top w0.5: MX7.1 149.01,75.84 arc(149.44,75.2) 149.59,74.43 149.59,65.7 arc(149.75,64.93) 150.18,64.29 MX17.1 156.69,57.77 arc(157.13,57.12) 157.28,56.36 157.28,47.63 arc(157.43,46.86) 157.86,46.22 MX27.1 164.38,39.7 arc(164.81,39.05) 164.96,38.29 164.96,27.3 arc(164.81,26.54) 164.38,25.89 159.25,20.77 arc(158.6,20.33) 157.84,20.18 149.51,20.18 arc(148.75,20.03) 148.1,19.59 MX35.1
  Bottom w0.2: U3.8 151.59,62.05 arc(152.35,61.9) 153,61.46 MX17.1
/GPIO9: length 61.3
  Top w0.2: EN1.A 122.83,5.52 124.41,7.1 arc(124.84,7.75) 124.99,8.51 124.99,56.45 arc(124.84,57.22) 124.41,57.87 v1(123.2,59.07)
  Bottom w0.2: U3.12 121.28,60.45 arc(121.78,60.35) 122.21,60.07 v1(123.2,59.07)
  Bottom w0.5: EN1.A 122.36,5.26 EN1.A
/GPIO11: length 57.8
  Top w0.2: EN1.B 124.01,8.92 arc(124.44,9.57) 124.59,10.34 124.59,55.73 arc(124.44,56.5) 124.01,57.15 v1(122.56,58.6)
  Bottom w0.2: U3.14 120.74,59.65 arc(121.45,59.51) 122.05,59.11 v1(122.56,58.6)
  Bottom w0.5: EN1.B 122.36,7.8 EN1.B
/GPIO18: length 28.4
  Top w0.2: SW2.A 110.83,38.82 arc(110.4,39.47) 110.25,40.23 110.25,56.24 arc(110.4,57) 110.83,57.65 v1(111.68,58.5)
  Bottom w0.2: U3.29 113.66,59.65 arc(112.9,59.5) 112.25,59.06 v1(111.68,58.5)
/GPIO20: length 36.8
  Top w0.2: SW2.B 119.01,34.16 arc(118.36,33.73) 117.59,33.58 114.67,33.58 arc(114.27,33.66) 113.93,33.88 110.43,37.38 arc(110,38.03) 109.85,38.79 109.85,56.96 arc(110,57.72) 110.43,58.37 v1(111.05,58.99)
  Bottom w0.2: U3.31 113.34,60.45 arc(112.57,60.3) 111.92,59.86 v1(111.05,58.99)
/GPIO23: length 116.5
  Top w0.5: MX32.1 77.07,19.86 arc(76.3,20.02) 75.65,20.45 64.64,31.47 arc(64.2,32.12) 64.05,32.88 MX24.1 71.15,48.76 arc(71.58,49.41) 71.74,50.17 MX14.1 78.83,66.83 arc(79.27,67.48) 79.42,68.24 MX4.1
  Bottom w0.2: MX14.1 74.73,62.72 arc(75.38,63.15) 76.14,63.31 81.16,63.31 arc(81.92,63.15) 82.57,62.72 82.66,62.63 arc(83.31,62.2) 84.07,62.05 U3.35
/GPIO24: length 131.9
  Top w0.5: MX31.1 45.82,28.2 arc(45.39,28.85) 45.24,29.61 MX23.1 52.34,51.74 arc(52.77,52.39) 52.92,53.15 MX13.1 60.02,69.81 arc(60.45,70.46) 60.6,71.22 MX3.1
  Bottom w0.2: U3.36 84.24,62.45 arc(83.47,62.6) 82.82,63.03 82.74,63.12 arc(82.09,63.55) 81.32,63.71 73.49,63.71 arc(72.73,63.86) 72.08,64.29 65.25,71.12 arc(64.6,71.56) 63.83,71.71 62.75,71.71 arc(61.98,71.56) 61.33,71.12 MX13.1
/GPIO25: length 128.1
  Top w0.5: MX2.1 41.79,74.2 arc(41.64,73.44) 41.2,72.79 MX12.1 34.11,56.13 arc(33.95,55.37) 33.52,54.72 MX22.1
  Bottom w0.2: U3.37 84.4,62.85 arc(83.64,63) 82.99,63.43 82.9,63.52 arc(82.25,63.95) 81.49,64.11 73.66,64.11 arc(72.89,64.26) 72.24,64.69 65.41,71.52 arc(64.76,71.96) 64,72.11 41.35,72.11 arc(40.59,71.96) 39.94,71.52 MX12.1
/GPIO26: length 146.9
  Top w0.5: MX1.1 18.27,75.2 arc(18.12,74.44) 17.68,73.79 MX11.1 12.94,56.76 arc(12.79,55.99) 12.35,55.35 MX21.1
  Bottom w0.2: MX11.1 15.82,71.92 arc(16.47,72.36) 17.23,72.51 64.16,72.51 arc(64.93,72.36) 65.58,71.92 72.41,65.09 arc(73.06,64.66) 73.82,64.51 81.66,64.51 arc(82.42,64.35) 83.07,63.92 83.15,63.84 83.15,63.84 83.35,63.65 83.52,63.52 83.7,63.42 83.89,63.34 84.09,63.28 84.3,63.26 84.58,63.25 84.58,63.25 U3.38
/GPIO27: length 345.7
  Bottom w0.2: U3.39 84.74,63.65 arc(83.97,63.8) 83.32,64.23 83.24,64.32 arc(82.59,64.75) 81.82,64.91 73.99,64.91 arc(73.22,65.06) 72.57,65.49 65.74,72.32 arc(65.09,72.76) 64.33,72.91 9.28,72.91 arc(8.51,72.76) 7.86,72.32 6.07,70.53 arc(5.71,70.03) 5.51,69.45 5.13,67.21 arc(5.2,66.26) 5.69,65.46 6.92,64.23 arc(7.57,63.8) 8.33,63.64 19.03,63.64 D11.1
  Bottom w0.5: D20.1 219.41,62.35 arc(218.76,61.91) 217.99,61.76 D19.1 198.58,59.34 arc(197.93,58.9) 197.17,58.75 D18.1 179.61,56.36 arc(178.96,55.92) 178.19,55.77 D17.1 160.79,53.38 arc(160.14,52.94) 159.38,52.79 D16.1 143.65,52.07 arc(143.01,51.64) 142.24,51.49 96.8,51.49 D15.1 96.5,51.2 82.08,51.2 arc(81.31,51.35) 80.67,51.79 D14.1 77.68,54.18 63.26,54.18 arc(62.5,54.33) 61.85,54.77 D13.1 58.87,57.16 44.45,57.16 arc(43.68,57.31) 43.04,57.75 D12.1 40.05,60.14 23.65,60.14 arc(22.89,60.29) 22.24,60.73 D11.1
/GPIO28: length 376.4
  Top w0.5: v1(123.99,17.52) 123.99,34.83 arc(123.84,35.59) 123.41,36.24 v1(120.42,39.23)
  Bottom w0.2: U3.40 84.9,64.05 arc(84.14,64.2) 83.49,64.63 83.4,64.72 arc(82.75,65.15) 81.99,65.31 74.15,65.31 arc(73.39,65.46) 72.74,65.89 65.91,72.72 arc(65.26,73.16) 64.5,73.31 9.11,73.31 arc(8.35,73.16) 7.7,72.72 5.7,70.72 arc(5.33,70.23) 5.14,69.64 1.34,47.18 arc(1.41,46.24) 1.9,45.44 8.27,39.06 arc(8.92,38.63) 9.69,38.48 36.32,38.48 arc(37.09,38.32) 37.73,37.89 42.45,33.18 arc(42.88,32.53) 43.03,31.77 43.03,25.77 arc(43.18,25.01) 43.62,24.36 48.23,19.74 arc(48.88,19.31) 49.64,19.16 55.26,19.16 D31.1
  Bottom w0.5: D34.1 126.38,14.31 arc(126.22,15.07) 125.79,15.72 v1(123.99,17.52) ; D36.1 181.35,16.49 arc(180.7,16.06) 179.94,15.9 D35.1 154.33,15.2 arc(153.68,14.77) 152.92,14.62 144.65,14.62 arc(143.89,14.77) 143.24,15.2 141.51,16.93 arc(140.86,17.37) 140.09,17.52 v1(123.99,17.52) ; v1(123.99,17.52) 93.6,17.52 arc(92.83,17.37) 92.18,16.93 90.45,15.2 arc(89.8,14.76) 89.03,14.61 D32.1 85.83,14.32 61.52,14.32 arc(60.75,14.47) 60.1,14.9 D31.1 ; D33.1 v1(120.42,39.23)
/QSPI_SCLK: length 14.2
  Bottom w0.2: U3.52 118.25,66.41 arc(118.4,67.18) 118.83,67.83 119.2,68.19 arc(119.63,68.84) 119.78,69.6 119.78,76.81 arc(120.09,77.56) 120.83,77.86 121.79,77.86 arc(121.8,77.87) IC1.6
/QSPI_SD0: length 13.4
  Bottom w0.2: U3.53 118.65,66.25 arc(118.8,67.01) 119.23,67.66 119.6,68.03 arc(120.03,68.67) 120.18,69.44 120.18,76.54 arc(120.43,77.13) 121.02,77.37 IC1.5
/QSPI_SD1: length 18.7
  Bottom w0.2: U3.55 119.45,66.06 arc(119.57,66.69) 119.93,67.23 120.4,67.69 arc(120.83,68.34) 120.98,69.11 120.98,75.53 arc(121.13,75.89) 121.48,76.03 125.3,76.03 arc(125.78,76.23) 125.98,76.7 125.98,77.7 arc(125.78,78.18) 125.3,78.37 IC1.2
/QSPI_SD2: length 16.2
  Bottom w0.2: IC1.3 124.12,77.87 arc(123.93,77.8) 123.85,77.61 123.85,77.19 arc(123.77,77) 123.59,76.92 121.21,76.92 arc(120.76,76.74) 120.58,76.3 120.58,69.27 arc(120.43,68.51) 120,67.86 119.63,67.5 arc(119.2,66.85) 119.05,66.08 U3.54
/QSPI_SD3: length 15
  Bottom w0.2: U3.51 117.85,66.58 arc(118,67.35) 118.43,67.99 118.8,68.36 arc(119.23,69.01) 119.38,69.77 119.38,76.95 arc(119.8,77.96) 120.8,78.37 IC1.7
/QSPI_SS: length 21.1
  Bottom w0.2: U3.56 119.85,65.75 arc(120,66.52) 120.43,67.17 120.8,67.53 arc(121.23,68.18) 121.38,68.94 121.38,75.37 arc(121.46,75.55) 121.64,75.63 125.48,75.63 arc(126.13,75.9) 126.39,76.54 126.39,77.85 arc(126.09,78.57) 125.37,78.87 IC1.1 arc(125.09,79.08) 125.3,79.57 R9.1
/XTAL_O: length 3.8
  Bottom w0.2: R7.1 117.53,54.97 arc(117.7,54.54) Y1.1 arc(118.02,54.09) 117.75,53.98 C3.2
/~{USB_BOOT}: length 11.8
  Bottom w0.381: SW4.2 134.15,81.1 arc(133.5,80.67) 132.73,80.52 SW4.2 arc(128.1,81.07) 127.54,81.3 125.18,81.3 arc(124.54,81.03) 124.28,80.39 R9.2
c_enc1: length 105.8
  Top w0.5: MX25.1 89.97,45.78 arc(90.4,46.43) 90.55,47.19 MX15.1 97.65,63.85 arc(98.08,64.5) 98.24,65.26 MX5.1
  Bottom w0.2: MX15.1 94.86,61.06 arc(95.51,61.5) 96.28,61.65 U3.34
  Bottom w0.5: SW2.S2 114.75,46.25 arc(114.36,45.33) MX33.1 89.96,44.94 arc(89.2,44.79) 88.55,44.36 MX25.1
c_enc2: length 123.3
  Top w0.5: 122.16,2.52 145.56,25.92 arc(145.99,26.56) 146.15,27.33 146.15,35.31 arc(145.99,36.07) 145.56,36.72 MX26.1 139.05,43.24 arc(138.61,43.88) 138.46,44.65 138.46,53.38 arc(138.31,54.14) 137.88,54.79 MX16.1 131.36,61.31 arc(130.93,61.95) 130.78,62.72 130.78,71.45 arc(130.63,72.22) 130.19,72.86 MX6.1
  Bottom w0.2: MX16.1 131.61,61.06 arc(130.96,61.5) 130.19,61.65 U3.9
  Bottom w0.5: MX34.1 arc(113.89,11.42) 114.07,10.97 114.07,3.51 arc(114.36,2.82) 115.04,2.54 121.98,2.54 arc(121.99,2.53) EN1.S2
D_N: length 9.1
  Bottom w0.254: U2.3 116.69,82.36 arc(116.6,81.86) 116.31,81.44 arc(115.93,80.87) 115.8,80.2 115.8,76.28 arc(115.66,75.57) R6.1
D_P: length 10
  Bottom w0.254: 116.85,81.3 117.05,81.5 ; 117.05,81.5 116.84,81.28 arc(116.41,80.64) 116.25,79.88 116.25,76.47 arc(116.41,75.7) 116.84,75.05 R5.1 ; 117.05,81.5 118.13,82.58 arc(118.47,83.09) 118.59,83.69 U2.1
D_USB_N: length 7.6
  Bottom w0.254: J1.A7 117.89,90.98 arc(117.82,91.16) 117.64,91.24 117.15,91.24 arc(116.97,91.16) 116.89,90.98 J1.B7 116.89,88.95 arc(116.92,88.8) 117.01,88.67 117.22,88.46 arc(117.34,88.29) 117.38,88.08 arc(117.26,87.48) 116.92,86.97 arc(116.75,86.73) 116.69,86.44 U2.4
D_USB_P: length 6
  Bottom w0.254: 117.84,88.48 117.5,88.82 arc(117.42,88.94) 117.39,89.07 J1.A6 ; 117.84,88.48 118.25,88.89 arc(118.36,89.05) 118.39,89.25 J1.B6 ; 117.84,88.48 117.84,88.25 arc(117.99,87.49) 118.42,86.84 arc(118.55,86.65) 118.59,86.43 U2.6
r_enc1: length 6.3
  Bottom w0.5: D33.2 120.42,46.85 arc(120.24,47.3) MX33.2 119.79,49.36 arc(119.78,49.39) SW2.S1
r_enc2: length 18.2
  Bottom w0.5: MX34.2 MX34.2 arc(124.36,13.72) 124.78,12.7 124.78,9.26 arc(125.25,8.13) D34.2 126.38,4.8 arc(125.71,3.19) EN1.S1
SWCLK: length 13.3
  Bottom w0.2: U3.24 116.25,57.73 arc(116.2,57.5) 116.08,57.32 115.4,56.64 arc(115.23,56.52) 115.03,56.49 108.71,56.49 arc(108.29,56.31) 108.12,55.9 108.12,54.55 arc(108,54.27) 107.72,54.15 SWD1.1
SWD: length 12.4
  Bottom w0.2: SWD1.3 107.68,59.23 arc(107.99,59.1) 108.12,58.79 108.12,58.08 arc(108.47,57.23) 109.31,56.89 114.86,56.89 arc(115.06,56.93) 115.24,57.04 115.7,57.51 arc(115.81,57.67) 115.85,57.86 U3.25
XTAL_IN: length 7.7
  Bottom w0.2: U3.20 117.85,58.01 arc(117.9,57.74) 118.06,57.5 C2.2 arc(119.35,55.81) 119.23,55.53 119.23,53.77 arc(119.55,52.99) Y1.3
XTAL_OUT: length 3.3
  Bottom w0.2: R7.2 117.77,56.71 arc(117.53,57.06) 117.45,57.49 U3.21
~{RESET}: length 35.8
  Top w0.2: v1(114.47,57.49) 109.5,62.46 arc(109.07,63.11) 108.91,63.87 v1(108.91,78.12)
  Bottom w0.2: SWR1.2 100.35,81.1 arc(101,80.67) 101.76,80.52 SWR1.2 107.05,80.52 arc(107.82,80.36) 108.47,79.93 R1.2 v1(108.91,78.12) ; v1(114.47,57.49) 114.63,57.49 arc(115.21,57.73) 115.45,58.3 U3.26
Net-(D1-A): length 4
  Bottom w0.5: D1.2 24.94,85.01 MX1.2
Net-(D2-A): length 4
  Bottom w0.5: MX2.2 48.46,81.28 D2.2
Net-(D3-A): length 4
  Bottom w0.5: MX3.2 67.27,78.3 D3.2
Net-(D4-A): length 4
  Bottom w0.5: MX4.2 86.09,75.32 D4.2
Net-(D5-A): length 4
  Bottom w0.5: MX5.2 104.9,72.34 D5.2
Net-(D6-A): length 4.2
  Bottom w0.5: MX6.2 135.66,76.77 arc(136.1,76.12) 136.25,75.36 D6.2
Net-(D7-A): length 4.2
  Bottom w0.5: MX7.2 154.48,79.75 arc(154.91,79.1) 155.06,78.34 D7.2
Net-(D8-A): length 4.2
  Bottom w0.5: MX8.2 173.29,82.73 arc(173.73,82.08) 173.88,81.32 D8.2
Net-(D9-A): length 4.2
  Bottom w0.5: D9.2 192.69,84.3 arc(192.54,85.06) 192.11,85.71 MX9.2
Net-(D10-A): length 4.2
  Bottom w0.5: MX10.2 215.63,89.44 arc(216.06,88.79) 216.21,88.02 D10.2
Net-(D11-A): length 4
  Bottom w0.5: D11.2 19.61,66.56 MX11.2
Net-(D12-A): length 4
  Bottom w0.5: D12.2 40.77,63.21 MX12.2
Net-(D13-A): length 4
  Bottom w0.5: MX13.2 59.59,60.23 D13.2
Net-(D14-A): length 4
  Bottom w0.5: D14.2 78.41,57.25 MX14.2
Net-(D15-A): length 4
  Bottom w0.5: MX15.2 97.22,54.27 D15.2
Net-(D16-A): length 4.2
  Bottom w0.5: MX16.2 143.35,58.7 arc(143.78,58.05) 143.93,57.29 D16.2
Net-(D17-A): length 4.2
  Bottom w0.5: MX17.2 162.16,61.68 arc(162.6,61.03) 162.75,60.27 D17.2
Net-(D18-A): length 4.2
  Bottom w0.5: MX18.2 180.98,64.66 arc(181.41,64.01) 181.56,63.25 D18.2
Net-(D19-A): length 4.2
  Bottom w0.5: MX19.2 199.98,67.67 arc(200.41,67.02) 200.57,66.26 D19.2
Net-(D20-A): length 4.2
  Bottom w0.5: D20.2 221.73,69.61 arc(221.58,70.37) 221.15,71.02 MX20.2
Net-(D21-A): length 4
  Bottom w0.5: D21.2 14.28,48.12 MX21.2
Net-(D22-A): length 4
  Bottom w0.5: MX22.2 33.09,45.14 D22.2
Net-(D23-A): length 4
  Bottom w0.5: D23.2 51.91,42.16 MX23.2
Net-(D24-A): length 4
  Bottom w0.5: MX24.2 70.72,39.18 D24.2
Net-(D25-A): length 4
  Bottom w0.5: MX25.2 89.54,36.2 D25.2
Net-(D26-A): length 4.2
  Bottom w0.5: D26.2 151.62,39.22 arc(151.46,39.98) 151.03,40.63 MX26.2
Net-(D27-A): length 4.2
  Bottom w0.5: MX27.2 169.85,43.61 arc(170.28,42.96) 170.43,42.2 D27.2
Net-(D28-A): length 4.2
  Bottom w0.5: MX28.2 188.66,46.59 arc(189.09,45.94) 189.25,45.18 D28.2
Net-(D29-A): length 4.2
  Bottom w0.5: MX29.2 207.48,49.57 arc(207.91,48.92) 208.06,48.16 D29.2
Net-(D30-A): length 4.2
  Bottom w0.5: D30.2 226.88,51.14 arc(226.73,51.9) 226.29,52.55 MX30.2
Net-(D31-A): length 4
  Bottom w0.5: D31.2 55.98,22.23 MX31.2
Net-(D32-A): length 4
  Bottom w0.5: D32.2 86.56,17.39 MX32.2
Net-(D35-A): length 4.2
  Bottom w0.5: D35.2 154.6,20.4 arc(154.44,21.17) 154.01,21.81 MX35.2
Net-(D36-A): length 4.2
  Bottom w0.5: MX36.2 184.59,26.66 arc(185.02,26.01) 185.17,25.24 D36.2

## Copper pours and planes (outline as drawn; the poured copper is in the pictures)
+1V1 on Bottom: 115.25,64.09 118.85,64.09 118.85,60.69 116.25,60.69 116.25,59.89 117.05,59.89 117.05,60.09 119.45,60.09 119.45,64.49 116.65,64.49 116.65,64.69 116.25,64.69 116.25,65.09 115.25,65.09
+3V3 on Bottom: 110.83,68.34 110.8,64.68 114.48,64.68 114.45,59.49 120.05,59.49 120.05,65.09 117.25,65.09 116.59,65.2 113.72,68.36
GND on Top, Bottom: 248.66,-12.34 -13.88,-12.34 -13.88,106.46 248.66,106.46

## Text on the board
B.Silkscreen: JLCJLCJLCJLC | SWCLK | SWD | GND | Calvin0563 | layout by haha | pcb by | ENC | RESET | BOOT | clops
